# KiCad board 128CR.kicad_pcb (continued)
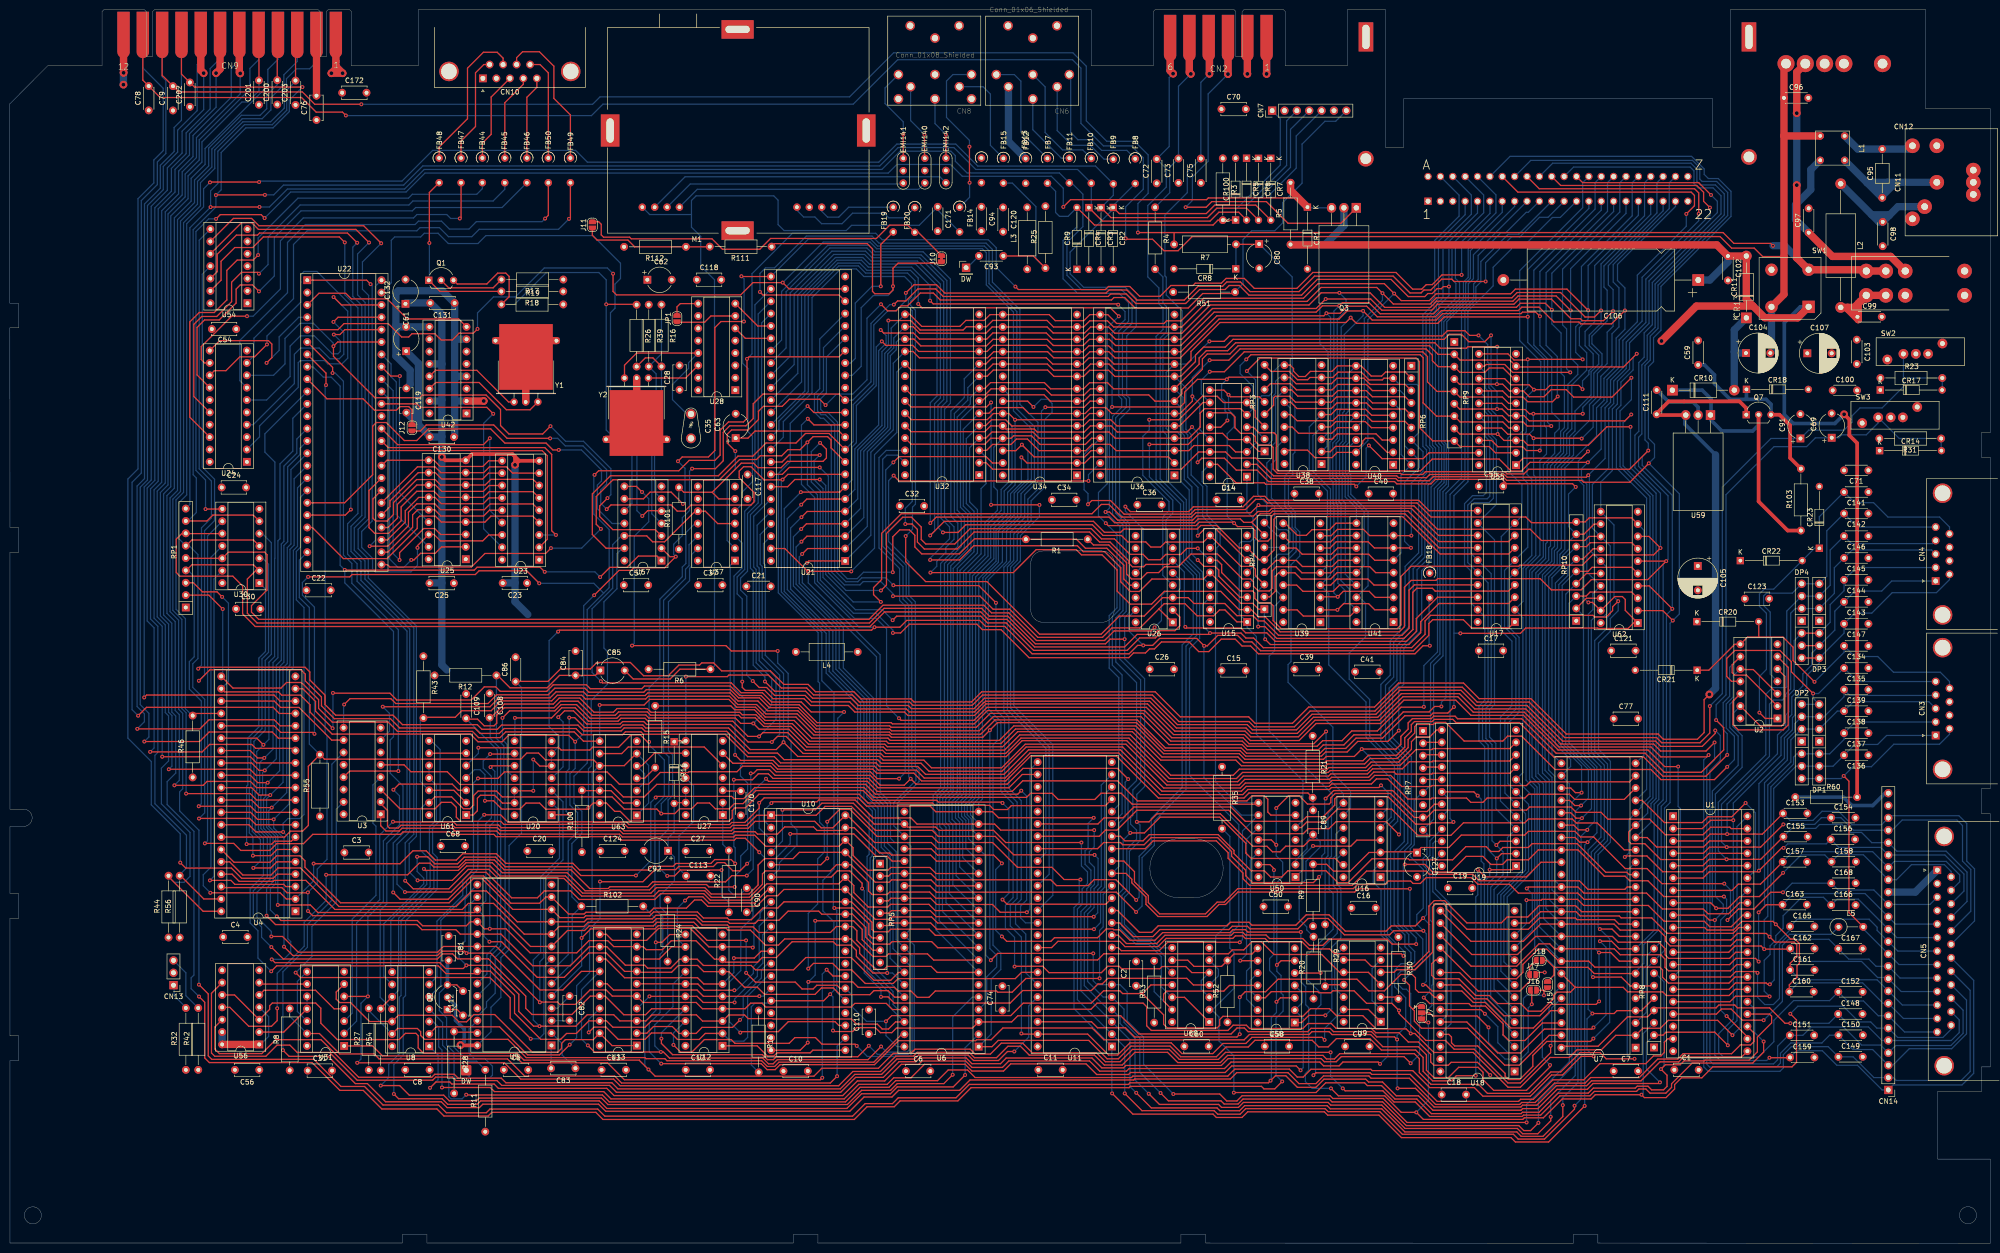
[diagram p0: board, top side]
## Placement (name value [footprint] x y rotation side) (continued)
R53  1k  [R_Axial_DIN0207_L6.3mm_D2.5mm_P12.7mm_Horizontal]  234.94 45.32 90 top
R54  3.3k  [R_Axial_DIN0207_L6.3mm_D2.5mm_P12.7mm_Horizontal]  76.16 35.5 90 top
R55  1k  [R_Axial_DIN0309_L9.0mm_D3.2mm_P12.70mm_Horizontal]  63.68 87.67 90 top
R56  3.3k  [R_Axial_DIN0207_L6.3mm_D2.5mm_P12.7mm_Horizontal]  34.88 62.8 90 top
R60  10k  [R_Axial_DIN0207_L6.3mm_D2.5mm_P12.7mm_Horizontal]  379.25 91.64 180 top
R100  1k  [R_Axial_DIN0207_L6.3mm_D2.5mm_P12.7mm_Horizontal]  117.46 80.35 90 top
R101  390  [R_Axial_DIN0207_L6.3mm_D2.5mm_P12.7mm_Horizontal]  137.37 142.56 90 top
R102  68  [R_Axial_DIN0207_L6.3mm_D2.5mm_P12.7mm_Horizontal]  117.35 69.22 0 top
R103  1.5k  [R_Axial_DIN0207_L6.3mm_D2.5mm_P12.7mm_Horizontal]  367.7 146.41 90 top
R111  68  [R_Axial_DIN0207_L6.3mm_D2.5mm_P12.7mm_Horizontal]  156.4 204.73 180 top
R112  68  [R_Axial_DIN0207_L6.3mm_D2.5mm_P12.7mm_Horizontal]  138.82 204.69 180 top
RP1  1k  [R_Array_SIP9]  36.14 130.6 90 top
RP3  33  [R_Array_SIP8]  257.6 162.67 90 top
RP4  33  [R_Array_SIP8]  257.55 130.24 90 top
RP5  3.3k  [R_Array_SIP9]  178.68 77.97 270 top
RP6  1k  [R_Array_SIP9]  287.73 180.24 270 top
RP7  3.3k  [R_Array_SIP9]  290.13 105.24 270 top
RP8  3.3k  [R_Array_SIP9]  337.55 40.22 90 top
RP9  10k  [R_Array_SIP9]  296.55 185.14 270 top
RP10  10k  [R_Array_SIP9]  321.58 127.87 90 top
SW1  Power_switch  [Power_Switch]  378.13 191.72 0 top
SW2  Reset Switch  [Switch-Pushbutton]  388.25 183.69 0 top
SW3  Disk reset  [Switch-Pushbutton]  383.08 170.64 0 top
U1  6526  [DIP-40_W15.24mm_Socket]  341.48 87.72 0 top
U2  4066  [DIP-14_W7.62mm_Socket]  362.89 107.81 180 top
U3  74LS138  [DIP-16_W7.62mm_Socket]  76.15 88.12 180 top
U4  6526  [DIP-40_W15.24mm_Socket]  58.65 68.19 180 top
U5  8580  [DIP-28_W15.24mm_Socket]  111.23 40.64 180 top
U6  8502  [DIP-40_W15.24mm_Socket]  198.9 40.39 180 top
U7  8722  [DIP-48_W15.24mm_Socket]  333.78 40.17 180 top
U8  74LS08  [DIP-14_W7.62mm_Socket]  86.12 40.47 180 top
U9  74LS32  [DIP-14_W7.62mm_Socket]  281.45 45.49 180 top
U10  Z80  [DIP-40_W15.24mm_Socket]  156.3 87.92 0 top
U11  8721  [DIP-48_W15.24mm_Socket]  226.25 40.42 180 top
U12  74LS373  [DIP-20_W7.62mm_Socket]  146.33 40.56 180 top
U13  74LS244  [DIP-20_W7.62mm_Socket]  128.73 40.6 180 top
U14  74LS257  [DIP-16_W7.62mm_Socket]  253.98 157.47 180 top
U15  74LS257  [DIP-16_W7.62mm_Socket]  254.03 127.62 180 top
U16  74LS14  [DIP-14_W7.62mm_Socket]  281.4 75.19 180 top
U17  74LS373  [DIP-20_W7.62mm_Socket]  308.97 127.62 180 top
U18  27C64  [DIP-28_W15.24mm_Socket]  308.93 35.29 180 top
U19  6116SA  [DIP-24_W15.24mm_Socket]  309.23 77.49 180 top
U20  4066  [DIP-14_W7.62mm_Socket]  111.25 87.92 180 top
U21  8564  [DIP-48_W15.24mm_Socket]  171.5 140.17 180 top
U22  8568  [DIP-48_W15.24mm_Socket]  61.08 197.83 0 top
U23  TMS4464  [DIP-18_W7.62mm_Socket]  108.7 140.42 180 top
U24  74LS244  [DIP-20_W7.62mm_Socket]  48.68 160.52 180 top
U25  TMS4464  [DIP-18_W7.62mm_Socket]  93.62 140.52 180 top
U26  74LS257  [DIP-16_W7.62mm_Socket]  238.75 127.54 180 top
U27  LM556  [DIP-14_W7.62mm_Socket]  146.38 87.97 180 top
U28  8701  [DIP-16_W7.62mm_Socket]  148.95 175.24 180 top
U30  74LS06N  [DIP-14_W7.62mm_Socket]  51.25 135.62 180 top
U31  74LS00  [DIP-14_W7.62mm_Socket]  68.65 40.54 180 top
U32  23256  [DIP-28_W15.24mm_Socket]  199.03 157.79 180 top
U34  23256  [DIP-28_W15.24mm_Socket]  219.1 157.74 180 top
U36  23256  [DIP-28_W15.24mm_Socket]  239.1 157.74 180 top
U37  74LS06N  [DIP-14_W7.62mm_Socket]  148.88 140.22 180 top
U38  TMS4464  [DIP-18_W7.62mm_Socket]  269.3 160.07 180 top
U39  TMS4464  [DIP-18_W7.62mm_Socket]  269.05 127.57 180 top
U40  TMS4464  [DIP-18_W7.62mm_Socket]  284 159.92 180 top
U41  TMS4464  [DIP-18_W7.62mm_Socket]  284.08 127.59 180 top
U42  8701  [DIP-16_W7.62mm_Socket]  93.78 170.47 180 top
U50  74LS04  [DIP-14_W7.62mm_Socket]  263.95 75.24 180 top
U54  74LS32  [DIP-14_W7.62mm_Socket]  48.8 193.09 180 top
U55  74LS245  [DIP-20_W7.62mm_Socket]  309.23 159.84 180 top
U56  74LS74  [DIP-14_W7.62mm_Socket]  51.23 40.84 180 top
U57  74LS07  [DIP-14_W7.62mm_Socket]  133.8 140.23 180 top
U58  74LS03  [DIP-14_W7.62mm_Socket]  263.8 45.34 180 top
U59  L7812  [TO-220-3_Horizontal_TabDown_NoHole]  349.14 170.13 180 top
U60  74LS07  [DIP-14_W7.62mm_Socket]  246.25 45.44 180 top
U61  74LS08  [DIP-14_W7.62mm_Socket]  93.7 87.97 180 top
U62  74LS244  [DIP-20_W7.62mm_Socket]  334.23 127.42 180 top
U63  74LS06N  [DIP-14_W7.62mm_Socket]  128.73 87.89 180 top
Y1  16  [Crystal_HC49-U_Horizontal_1EP_style3]  108.43 172.82 180 top
Y2  17.73447  [Crystal_HC49-U_Horizontal_1EP_style3]  126.2 177.74 0 top

## Library data of the parts
M1 = -: Field4: LOGO; Field5: G***

## Footprints (pads in the part's own frame, mm; a bottom-side part is the same pattern mirrored in y, then rotated)
BRIDGE_RECTIFIER
  rect 2.54x2.54 hole 1.27: 1(-3.81,-3.81)
  round 2.54 hole 1.27: 2(3.81,-3.81) 3(3.81,3.81) 4(-3.81,3.81)
C_Adjustable_L7.0mm_W4.5mm_P5.00mm
  round 2 hole 1.3: 1(0,0) 2(5,0)
C_Axial_L3.8mm_D2.6mm_P10.00mm_Horizontal
  round 1.6 hole 0.8: 1(0,0)
  oval 1.6x1.6 hole 0.8: 2(10,0)
C_Disc_D4.3mm_W1.9mm_P5.00mm
  round 1.6 hole 0.8: 1(0,0) 2(5,0)
C_Disc_D5.0mm_W2.5mm_P5.00mm
  round 1.6 hole 0.8: 1(0,0) 2(5,0)
CASSETTEPORT
  custom 2.54x9.525 smd: 1(9.906,0) 2(5.944,0) 3(1.981,0) 4(-1.981,0) 5(-5.944,0) 6(-9.906,0)
  custom 2.54x9.525 smd far side: A(9.906,0) B(5.944,0) C(1.981,0) D(-1.981,0) E(-5.944,0) F(-9.906,0)
CN12_C128D_power
  round 3.5 hole 2: 1(-3.683,-0.127) 3(4.242,-0.127) 4(8.204,-0.127) 5(12.167,-0.127) 6(16.129,-0.127)
Commonmode_Choke_5mmx5mm
  round 1.524 hole 0.762: 1(2.5,2.5) 2(-2.5,-2.5) 3(-2.5,2.5) 4(2.5,-2.5)
Connector_DIN_Female_6Pin_3rows
  round 1.95 hole 1.3: 0(-4.953,-10.033) 0(0,-7.493) 0(5.08,-10.033) 1(7.5,0) 2(5,2.5) 3(0,0) 4(-5,2.5) 5(-7.5,0) 6(0,5)
Connector_DIN_Female_8Pin_3rows
  round 1.95 hole 1.3: 0(-4.953,-10.033) 0(0,-7.493) 0(5.08,-10.033) 1(7.5,0) 2(0,0) 3(-7.5,0) 4(5,2.5) 5(-5,2.5) 6(0,5) 7(7.5,5) 8(-7.5,5)
Connector_Power_5pin_252167_01
  round 3 hole 1.4: 0(-2.5,-4.5) 0(0,-4.5) 0(2.5,-4.5) 1(-5,5.5) 2(7.5,3) 3(7.5,8) 4(-7.5,8) 5(0,3)
CP_Axial_L30.0mm_D12.5mm_P40.00mm_Horizontal
  rect 2.4x2.4 hole 1.2: 1(0,0)
  oval 2.4x2.4 hole 1.2: 2(40,0)
CP_Radial_D5.0mm_P5.00mm
  rect 1.6x1.6 hole 0.8: 1(0,0)
  round 1.6 hole 0.8: 2(5,0)
CP_Radial_D8.0mm_P5.00mm
  rect 1.6x1.6 hole 0.8: 1(0,0)
  round 1.6 hole 0.8: 2(5,0)
Crystal_HC49-U_Horizontal_1EP_style3
  round 1.5 hole 0.8: 1(0,0) 2(4.9,0)
  rect 1.2x1.2 hole 0.8: 3(-3.8,-12.6) 3(8.7,-12.6)
  rect 11x13.5 smd: 3(2.45,-9.25)
  round 1.524 hole 0.762: 3(2.5,0)
  rect 1.524x3 smd: 3(2.5,-1.473)
D_DO-34_SOD68_P12.70mm_Horizontal
  rect 1.5x1.5 hole 0.75: 1(0,0)
  oval 1.5x1.5 hole 0.75: 2(12.7,0)
D_DO-41_SOD81_P12.70mm_Horizontal
  rect 2.2x2.2 hole 1.1: 1(0,0)
  oval 2.2x2.2 hole 1.1: 2(12.7,0)
DIP-14_W7.62mm_Socket
  rect 1.6x1.6 hole 0.8: 1(0,0)
  oval 1.6x1.6 hole 0.8: 2(0,-2.54) 3(0,-5.08) 4(0,-7.62) 5(0,-10.16) 6(0,-12.7) 7(0,-15.24) 8(7.62,-15.24) 9(7.62,-12.7) 10(7.62,-10.16) 11(7.62,-7.62) 12(7.62,-5.08) 13(7.62,-2.54) 14(7.62,0)
DIP-16_W7.62mm_Socket
  rect 1.6x1.6 hole 0.8: 1(0,0)
  oval 1.6x1.6 hole 0.8: 2(0,-2.54) 3(0,-5.08) 4(0,-7.62) 5(0,-10.16) 6(0,-12.7) 7(0,-15.24) 8(0,-17.78) 9(7.62,-17.78) 10(7.62,-15.24) 11(7.62,-12.7) 12(7.62,-10.16) 13(7.62,-7.62) 14(7.62,-5.08) 15(7.62,-2.54) 16(7.62,0)
DIP-18_W7.62mm_Socket
  rect 1.6x1.6 hole 0.8: 1(0,0)
  oval 1.6x1.6 hole 0.8: 2(0,-2.54) 3(0,-5.08) 4(0,-7.62) 5(0,-10.16) 6(0,-12.7) 7(0,-15.24) 8(0,-17.78) 9(0,-20.32) 10(7.62,-20.32) 11(7.62,-17.78) 12(7.62,-15.24) 13(7.62,-12.7) 14(7.62,-10.16) 15(7.62,-7.62) 16(7.62,-5.08) 17(7.62,-2.54) 18(7.62,0)
DIP-20_W7.62mm_Socket
  rect 1.6x1.6 hole 0.8: 1(0,0)
  oval 1.6x1.6 hole 0.8: 2(0,-2.54) 3(0,-5.08) 4(0,-7.62) 5(0,-10.16) 6(0,-12.7) 7(0,-15.24) 8(0,-17.78) 9(0,-20.32) 10(0,-22.86) 11(7.62,-22.86) 12(7.62,-20.32) 13(7.62,-17.78) 14(7.62,-15.24) 15(7.62,-12.7) 16(7.62,-10.16) 17(7.62,-7.62) 18(7.62,-5.08) 19(7.62,-2.54) 20(7.62,0)
DIP-24_W15.24mm_Socket
  rect 1.6x1.6 hole 0.8: 1(0,0)
  oval 1.6x1.6 hole 0.8: 2(0,-2.54) 3(0,-5.08) 4(0,-7.62) 5(0,-10.16) 6(0,-12.7) 7(0,-15.24) 8(0,-17.78) 9(0,-20.32) 10(0,-22.86) 11(0,-25.4) 12(0,-27.94) 13(15.24,-27.94) 14(15.24,-25.4) 15(15.24,-22.86) 16(15.24,-20.32) 17(15.24,-17.78) 18(15.24,-15.24) 19(15.24,-12.7) 20(15.24,-10.16) 21(15.24,-7.62) 22(15.24,-5.08) 23(15.24,-2.54) 24(15.24,0)
DIP-28_W15.24mm_Socket
  rect 1.6x1.6 hole 0.8: 1(0,0)
  oval 1.6x1.6 hole 0.8: 2(0,-2.54) 3(0,-5.08) 4(0,-7.62) 5(0,-10.16) 6(0,-12.7) 7(0,-15.24) 8(0,-17.78) 9(0,-20.32) 10(0,-22.86) 11(0,-25.4) 12(0,-27.94) 13(0,-30.48) 14(0,-33.02) 15(15.24,-33.02) 16(15.24,-30.48) 17(15.24,-27.94) 18(15.24,-25.4) 19(15.24,-22.86) 20(15.24,-20.32) 21(15.24,-17.78) 22(15.24,-15.24) 23(15.24,-12.7) 24(15.24,-10.16) 25(15.24,-7.62) 26(15.24,-5.08) 27(15.24,-2.54) 28(15.24,0)
DIP-40_W15.24mm_Socket
  rect 1.6x1.6 hole 0.8: 1(0,0)
  oval 1.6x1.6 hole 0.8: 2(0,-2.54) 3(0,-5.08) 4(0,-7.62) 5(0,-10.16) 6(0,-12.7) 7(0,-15.24) 8(0,-17.78) 9(0,-20.32) 10(0,-22.86) 11(0,-25.4) 12(0,-27.94) 13(0,-30.48) 14(0,-33.02) 15(0,-35.56) 16(0,-38.1) 17(0,-40.64) 18(0,-43.18) 19(0,-45.72) 20(0,-48.26) 21(15.24,-48.26) 22(15.24,-45.72) 23(15.24,-43.18) 24(15.24,-40.64) 25(15.24,-38.1) 26(15.24,-35.56) 27(15.24,-33.02) 28(15.24,-30.48) 29(15.24,-27.94) 30(15.24,-25.4) 31(15.24,-22.86) 32(15.24,-20.32) 33(15.24,-17.78) 34(15.24,-15.24) 35(15.24,-12.7) 36(15.24,-10.16) 37(15.24,-7.62) 38(15.24,-5.08) 39(15.24,-2.54) 40(15.24,0)
DIP-48_W15.24mm_Socket
  rect 1.6x1.6 hole 0.8: 1(0,0)
  oval 1.6x1.6 hole 0.8: 2(0,-2.54) 3(0,-5.08) 4(0,-7.62) 5(0,-10.16) 6(0,-12.7) 7(0,-15.24) 8(0,-17.78) 9(0,-20.32) 10(0,-22.86) 11(0,-25.4) 12(0,-27.94) 13(0,-30.48) 14(0,-33.02) 15(0,-35.56) 16(0,-38.1) 17(0,-40.64) 18(0,-43.18) 19(0,-45.72) 20(0,-48.26) 21(0,-50.8) 22(0,-53.34) 23(0,-55.88) 24(0,-58.42) 25(15.24,-58.42) 26(15.24,-55.88) 27(15.24,-53.34) 28(15.24,-50.8) 29(15.24,-48.26) 30(15.24,-45.72) 31(15.24,-43.18) 32(15.24,-40.64) 33(15.24,-38.1) 34(15.24,-35.56) 35(15.24,-33.02) 36(15.24,-30.48) 37(15.24,-27.94) 38(15.24,-25.4) 39(15.24,-22.86) 40(15.24,-20.32) 41(15.24,-17.78) 42(15.24,-15.24) 43(15.24,-12.7) 44(15.24,-10.16) 45(15.24,-7.62) 46(15.24,-5.08) 47(15.24,-2.54) 48(15.24,0)
DSUB-9_Female_Horizontal_P2.77x2.84mm_EdgePinOffset7.70mm_Housed_MountingHolesOffset9.12mm
  round 4 hole 3.2: 0(-18.04,-1.42) 0(6.96,-1.42)
  rect 1.6x1.6 hole 1: 1(0,0)
  round 1.6 hole 1: 2(-2.77,0) 3(-5.54,0) 4(-8.31,0) 5(-11.08,0) 6(-1.385,-2.84) 7(-4.155,-2.84) 8(-6.925,-2.84) 9(-9.695,-2.84)
DSUB-9_Male_Horizontal_P2.77x2.84mm_EdgePinOffset9.90mm_Housed_MountingHolesOffset11.32mm
  round 4 hole 3.2: 0(-6.96,-1.42) 0(18.04,-1.42)
  rect 1.6x1.6 hole 1: 1(0,0)
  round 1.6 hole 1: 2(2.77,0) 3(5.54,0) 4(8.31,0) 5(11.08,0) 6(1.385,-2.84) 7(4.155,-2.84) 8(6.925,-2.84) 9(9.695,-2.84)
DSUB-25_Female_Horizontal_P2.77x2.84mm_EdgePinOffset9.90mm_Housed_MountingHolesOffset11.32mm
  round 4 hole 3.2: 0(-40.17,-1.42) 0(6.93,-1.42)
  rect 1.6x1.6 hole 1: 1(0,0)
  round 1.6 hole 1: 2(-2.77,0) 3(-5.54,0) 4(-8.31,0) 5(-11.08,0) 6(-13.85,0) 7(-16.62,0) 8(-19.39,0) 9(-22.16,0) 10(-24.93,0) 11(-27.7,0) 12(-30.47,0) 13(-33.24,0) 14(-1.385,-2.84) 15(-4.155,-2.84) 16(-6.925,-2.84) 17(-9.695,-2.84) 18(-12.465,-2.84) 19(-15.235,-2.84) 20(-18.005,-2.84) 21(-20.775,-2.84) 22(-23.545,-2.84) 23(-26.315,-2.84) 24(-29.085,-2.84) 25(-31.855,-2.84)
EMI-Filter
  round 1.524 hole 0.762: 1(0,0) 2(2.54,0) 3(5.08,0)
EXPANSIONPORT
  rect 3x6 hole 1.5x5 unplated: (-39.421,31.217) (39.213,31.217)
  rect 1.508x1.508 hole 1: 1(-26.67,-2.54)
  round 1.508 hole 1: 2(-24.13,-2.54) 3(-21.59,-2.54) 4(-19.05,-2.54) 5(-16.51,-2.54) 6(-13.97,-2.54) 7(-11.43,-2.54) 8(-8.89,-2.54) 9(-6.35,-2.54) 10(-3.81,-2.54) 11(-1.27,-2.54) 12(1.27,-2.54) 13(3.81,-2.54) 14(6.35,-2.54) 15(8.89,-2.54) 16(11.43,-2.54) 17(13.97,-2.54) 18(16.51,-2.54) 19(19.05,-2.54) 20(21.59,-2.54) 21(24.13,-2.54) 22(26.67,-2.54) A(-26.67,2.54) B(-24.13,2.54) C(-21.59,2.54) D(-19.05,2.54) E(-16.51,2.54) F(-13.97,2.54) H(-11.43,2.54) J(-8.89,2.54) K(-6.35,2.54) L(-3.81,2.54) M(-1.27,2.54) N(1.27,2.54) P(3.81,2.54) R(6.35,2.54) S(8.89,2.54) T(11.43,2.54) U(13.97,2.54) V(16.51,2.54) W(19.05,2.54) X(21.59,2.54) Y(24.13,2.54) Z(26.67,2.54)
  round 3.216 hole 2.2: A(-39.451,6.198) Z(39.213,6.563)
Ferrite_Bead_vertical_2_pin
  round 1.524 hole 0.762: 1(0,0) 2(5.08,0)
L_Axial_L7.0mm_D3.3mm_P5.08mm_Vertical_Fastron_MICC
  round 1.6 hole 0.8: 1(0,0)
  oval 1.6x1.6 hole 0.8: 2(5.08,0)
L_Axial_L7.0mm_D3.3mm_P12.70mm_Horizontal_Fastron_MICC
  round 1.6 hole 0.8: 1(0,0)
  oval 1.6x1.6 hole 0.8: 2(12.7,0)
L_Axial_L12.8mm_D5.8mm_P25.40mm_Horizontal_Fastron_HBCC
  round 2.2 hole 1.1: 1(0,0)
  oval 2.2x2.2 hole 1.1: 2(25.4,0)
PinHeader_1x01_P2.54mm_Vertical
  rect 1.7x1.7 hole 1: 1(0,0)
PinHeader_1x03_P2.54mm_Vertical
  rect 1.7x1.7 hole 1: 1(0,0)
  oval 1.7x1.7 hole 1: 2(0,-2.54) 3(0,-5.08)
PinHeader_1x07_P2.54mm_Vertical
  rect 1.7x1.7 hole 1: 1(0,0)
  oval 1.7x1.7 hole 1: 2(0,-2.54) 3(0,-5.08) 4(0,-7.62) 5(0,-10.16) 6(0,-12.7) 7(0,-15.24)
PinHeader_1x25_P2.54mm_Vertical
  rect 1.7x1.7 hole 1: 1(0,0)
  oval 1.7x1.7 hole 1: 2(0,-2.54) 3(0,-5.08) 4(0,-7.62) 5(0,-10.16) 6(0,-12.7) 7(0,-15.24) 8(0,-17.78) 9(0,-20.32) 10(0,-22.86) 11(0,-25.4) 12(0,-27.94) 13(0,-30.48) 14(0,-33.02) 15(0,-35.56) 16(0,-38.1) 17(0,-40.64) 18(0,-43.18) 19(0,-45.72) 20(0,-48.26) 21(0,-50.8) 22(0,-53.34) 23(0,-55.88) 24(0,-58.42) 25(0,-60.96)
Power_Switch
  round 3 hole 1.5: 0(23.177,8.001) 0(23.177,3) 1(3,3) 1(7,3) 2(11,3) 3(11,8) 4(3,8) 4(7,8)
R_Array_SIP8
  rect 1.6x1.6 hole 0.8: 1(0,0)
  oval 1.6x1.6 hole 0.8: 2(2.54,0) 3(5.08,0) 4(7.62,0) 5(10.16,0) 6(12.7,0) 7(15.24,0) 8(17.78,0)
R_Array_SIP9
  rect 1.6x1.6 hole 0.8: 1(0,0)
  oval 1.6x1.6 hole 0.8: 2(2.54,0) 3(5.08,0) 4(7.62,0) 5(10.16,0) 6(12.7,0) 7(15.24,0) 8(17.78,0) 9(20.32,0)
R_Axial_DIN0207_L6.3mm_D2.5mm_P12.7mm_Horizontal
  round 1.6 hole 0.8: 1(0,0)
  oval 1.6x1.6 hole 0.8: 2(12.7,0)
R_Axial_DIN0309_L9.0mm_D3.2mm_P12.70mm_Horizontal
  round 1.6 hole 0.8: 1(0,0)
  oval 1.6x1.6 hole 0.8: 2(12.7,0)
RF_modulator
  rect 3.81x6.604 hole 1.5x5 unplated: (0,20.574) (52.578,20.574)
  rect 6.604x3.81 hole 5x1.5 unplated: (26.162,41.339) (26.162,0)
  round 1.524 hole 0.762: 1(45.974,4.826) 2(43.434,4.826) 3(40.894,4.826) 4(38.354,4.826) 5(14.224,4.826) 6(11.684,4.826) 7(9.144,4.826) 8(6.604,4.826)
SIP-DAN_DAP-601
  oval 1.7x1.7 hole 1: 1(0,0) 2(0,-2.54) 3(0,-5.08) 5(0,-10.16) 6(0,-12.7) 7(0,-15.24)
  rect 1.7x1.7 hole 1: 4(0,-7.62)
SolderJumper-2_P1.3mm_Bridged_RoundedPad1.0x1.5mm
  custom 1x1.5 smd: 1(-0.65,0) 2(0.65,0)
SolderJumper-2_P1.3mm_Open_RoundedPad1.0x1.5mm
  custom 1x1.5 smd: 1(-0.65,0) 2(0.65,0)
SolderJumper-3_P1.3mm_Open_RoundedPad1.0x1.5mm
  custom 1.05x1.5 smd: 1(-1.3,0) 3(1.3,0)
  rect 1x1.5 smd: 2(0,0)
SolderWire-0.5sqmm_1x01_D0.9mm_OD2.1mm
  rrect 2.1x2.1 hole 1.1: 1(0,0)
Switch-Pushbutton
  round 2 hole 1: 0(-2.794,-2.159) 0(8.509,1.143) 1(0.5,-1.002) 2(3.05,-0.992) 3(5.56,-0.992)
TO-92_Inline_Wide
  rect 1.5x1.5 hole 0.8: 1(0,0)
  round 1.5 hole 0.8: 2(2.54,0) 3(5.08,0)
TO-92L_Inline_Wide
  rect 1.5x1.5 hole 0.8: 1(0,0)
  round 1.5 hole 0.8: 2(2.54,0) 3(5.08,0)
TO-220-3_Horizontal_TabDown_NoHole
  rect 1.905x2 hole 1.1: 1(0,0)
  oval 1.905x2 hole 1.1: 2(2.54,0) 3(5.08,0)
USERPORT
  custom 2.54x9.525 smd: 1(21.793,0) 2(17.831,0) 3(13.868,0) 4(9.906,0) 5(5.944,0) 6(1.981,0) 7(-1.981,0) 8(-5.944,0) 9(-9.906,0) 10(-13.868,0) 11(-17.831,0) 12(-21.793,0)
  custom 2.54x9.525 smd far side: A(21.793,0) B(17.831,0) C(13.868,0) D(9.906,0) E(5.944,0) F(1.981,0) H(-1.981,0) J(-5.944,0) K(-9.906,0) L(-13.868,0) M(-17.831,0) N(-21.793,0)

## Nets
9VAC1: C79.2 CN9.10 CN12.5 CR13.2 R7.2 SW1.4
9VAC2: C78.2 C96.1 C104.2 CN9.11 CN12.6 CR13.4 L1.2
+5V: C1.2 C2.2 C3.2 C4.2 C5.2 C6.2 C7.2 C8.2 C9.2 C10.2 C11.2 C12.2 C13.2 C14.2 C15.2 C16.2 C17.2 C18.2 C19.2 C20.2 C22.2 C23.2 C24.2 C25.2 C26.2 C27.2 C28.2 C30.2 C31.2 C32.2 C34.2 C36.2 C37.2 C38.2 C39.2 C40.2 C41.2 C50.2 C54.2 C55.2 C56.2 C57.2 C58.2 C60.2 C61.1 C62.1 C68.2 C70.2 C71.2 C74.2 C76.2 C77.2 C100.1 C103.1 C107.1 C110.2 C118.2 C119.2 C121.2 C123.2 C124.2 C130.2 C131.2 C132.1 C172.2 CN1.2 CN1.3 CN2.2 CN2.B CN3.7 CN4.7 CN9.2 CN12.4 CR5.1 CR6.1 CR7.1 CR9.1 CR14.1 CR17.1 CR20.1 CR22.1 DP1.4 DP3.4 FB13.2 L3.1 L4.1 R3.1 R8.1 R9.1 R10.1 R17.1 R19.2 R20.1 R21.1 R22.1 R23.1 R24.1 R27.1 R31.2 R32.1 R35.1 R42.1 R43.1 R44.1 R46.1 R51.2 R52.1 R53.1 R54.1 R55.1 R56.1 R100.1 R101.1 RP1.1 RP5.1 RP6.1 RP7.1 RP8.1 RP9.1 RP10.1 SW1.2 U1.20 U3.6 U4.20 U5.25 U6.6 U7.1 U8.14 U9.14 U10.11 U10.17 U10.24 U11.8 U11.48 U12.20 U13.20 U16.14 U18.1 U18.27 U18.28 U19.24 U21.11 U23.9 U24.20 U25.9 U27.10 U28.12 U28.15 U30.14 U31.14 U32.1 U34.1 U36.1 U38.9 U39.9 U40.9 U41.9 U42.12 U42.15 U50.14 U54.14 U56.1 U56.4 U56.13 U56.14 U58.14 U60.14
+9V: C86.1 C102.1 C105.1 C106.1 C111.1 CR11.2 CR13.1 Q2.2 Q3.2 Q7.1 R5.1 R60.1 U5.28 U59.3
GND: C1.1 C2.1 C3.1 C4.1 C5.1 C6.1 C7.1 C8.1 C9.1 C10.1 C11.1 C12.1 C13.1 C14.1 C15.1 C16.1 C17.1 C18.1 C19.1 C20.1 C21.2 C22.1 C23.1 C24.1 C25.1 C26.1 C27.1 C28.1 C30.1 C31.1 C32.1 C34.1 C35.2 C36.1 C37.1 C38.1 C39.1 C40.1 C41.1 C50.1 C54.1 C55.1 C56.1 C57.1 C58.1 C59.2 C60.1 C61.2 C62.2 C63.2 C68.1 C69.2 C70.1 C71.1 C72.1 C73.1 C74.1 C75.1 C76.1 C77.1 C78.1 C79.1 C80.2 C81.1 C84.2 C86.2 C90.2 C91.2 C92.2 C94.2 C96.2 C97.2 C98.2 C99.2 C100.2 C102.2 C103.2 C105.2 C106.2 C107.2 C108.1 C109.1 C110.1 C111.2 C113.2 C117.2 C118.1 C119.1 C120.2 C121.1 C123.1 C124.1 C127.2 C130.1 C131.1 C132.2 C134.1 C135.1 C136.1 C137.1 C138.1 C139.1 C141.1 C142.1 C143.1 C144.1 C145.1 C146.1 C147.1 C148.2 C149.2 C150.2 C151.2 C152.2 C153.2 C154.2 C155.2 C156.2 C157.2 C158.2 C159.2 C160.2 C161.2 C162.2 C163.2 C165.2 C166.2 C167.2 C168.2 C170.2 C171.2 C172.1 C200.1 C201.1 C202.1 C203.1 CN1.1 CN1.22 CN1.A CN1.Z CN2.1 CN2.A CN3.0 CN3.8 CN4.0 CN4.8 CN5.0 CN5.1 CN7.2 CN8.2 CN9.1 CN9.12 CN9.A CN9.N CN10.0 CN10.1 CN10.2 CN11.2 CN11.4 CN12.1 CN12.3 CN13.2 CN14.17 CN14.24 CR1.2 CR2.2 CR3.2 CR4.2 CR8.2 CR13.3 CR18.2 CR21.2 CR23.2 CR100.2 DP2.4 DP4.4 EMI140.2 EMI141.2 EMI142.2 FB12.2 J17.2 JP1.2 M1.3 R6.2 R11.1 R12.2 R18.1 R25.2 R39.1 R112.2 SW2.0 SW2.2 SW3.0 SW3.2 U1.1 U4.1 U5.14 U6.21 U7.34 U8.7 U9.7 U10.29 U11.7 U11.24 U11.27 U12.10 U13.10 U16.7 U18.14 U19.12 U21.24 U22.22 U22.24 U23.1 U23.18 U24.1 U24.10 U24.15 U24.17 U24.19 U25.1 U25.18 U26.10 U26.11 U26.14 U28.2 U28.4 U28.9 U30.7 U31.7 U32.20 U34.20 U36.20 U38.1 U38.18 U39.1 U39.18 U40.1 U40.18 U41.1 U41.18 U42.2 U42.4 U42.7 U42.9 U50.7 U54.7 U56.7 U58.7 U59.2 U60.7 Y1.3 Y2.3
1MHZ: CN1.E R102.1 U4.25 U5.6 U21.18
2MHZ: U6.1 U7.33 U21.23 U22.5
16MHZ: U22.3 U42.8
40_80: C148.1 CN5.24 CN14.5 RP8.4 U7.48
128_64: J7.1 U7.47 U8.2 U11.15 U32.27
8502_AEC: U6.5 U61.10 U61.11
8502_RDY: U6.2 U61.8
8502_R~{W}: R27.2 U6.39 U8.13
/Color / Character/CD0: U19.9 U20.1 U21.46
/Color / Character/CD1: U19.10 U20.4 U21.45
/Color / Character/CD2: U19.11 U20.8 U21.44
/Color / Character/CD3: U19.13 U20.11 U21.43
/Color / Character/SA0: CN1.Y U17.2 U18.10 U19.8 U55.17
/Color / Character/SA1: CN1.X U17.5 U18.9 U19.7 U55.15
/Color / Character/SA2: CN1.W U17.6 U18.8 U19.6 U55.13
/Color / Character/SA3: CN1.V U17.9 U18.7 U19.5 U55.11
/Color / Character/SA4: CN1.U U17.12 U18.6 U19.4 U55.12
/Color / Character/SA5: CN1.T U17.15 U18.5 U19.3 U55.14
/Color / Character/SA6: CN1.S U17.16 U18.4 U19.2 U55.16
/Color / Character/SA7: CN1.R U17.19 U18.3 U19.1 U55.18
/Color / Character/U18_A12: J7.2 J16.1 U18.2
/CPU/D0: CN1.21 U1.33 U4.33 U5.15 U6.38 U7.35 U12.3 U13.3 U18.11 U20.2 U21.7 U22.18 U32.11 U34.11 U36.11 U38.2 U40.2
/CPU/D1: CN1.20 U1.32 U4.32 U5.16 U6.37 U7.36 U12.4 U13.5 U18.12 U20.3 U21.6 U22.17 U32.12 U34.12 U36.12 U38.3 U40.3
/CPU/D2: CN1.19 U1.31 U4.31 U5.17 U6.36 U7.37 U12.7 U13.7 U18.13 U20.9 U21.5 U22.16 U32.13 U34.13 U36.13 U38.15 U40.15
/CPU/D3: CN1.18 U1.30 U4.30 U5.18 U6.35 U7.38 U12.8 U13.9 U18.15 U20.10 U21.4 U22.15 U32.15 U34.15 U36.15 U38.17 U40.17
/CPU/D4: CN1.17 U1.29 U4.29 U5.19 U6.34 U7.39 U12.13 U13.12 U18.16 U21.3 U22.14 U32.16 U34.16 U36.16 U39.2 U41.2
/CPU/D5: CN1.16 U1.28 U4.28 U5.20 U6.33 U7.40 U12.14 U13.14 U18.17 U21.2 U22.13 U32.17 U34.17 U36.17 U39.3 U41.3
/CPU/D6: CN1.15 U1.27 U4.27 U5.21 U6.32 U7.41 U12.17 U13.16 U18.18 U21.1 U22.11 U32.18 U34.18 U36.18 U39.15 U41.15
/CPU/D7: CN1.14 U1.26 U4.26 U5.22 U6.31 U7.42 U12.18 U13.18 U18.19 U21.47 U22.10 U32.19 U34.19 U36.19 U39.17 U41.17
/CPU/ZD0: U10.14 U12.2 U13.17
/CPU/ZD1: U10.15 U12.5 U13.15
/CPU/ZD2: U10.12 U12.6 U13.13
/CPU/ZD3: U10.8 U12.9 U13.11
/CPU/ZD4: U10.7 U12.12 U13.8
/CPU/ZD5: U10.9 U12.15 U13.6
/CPU/ZD6: U10.10 U12.16 U13.4
/CPU/ZD7: U10.13 U12.19 U13.2
/CPU/~{RD}: U10.21 U12.1
/DRAM/VMA0: RP4.1 U15.12 U17.3 U21.32
/DRAM/VMA1: RP4.3 U15.9 U17.4 U21.33
/DRAM/VMA2: RP4.5 U15.7 U17.7 U21.34
/DRAM/VMA3: RP4.7 U15.4 U17.8 U21.35
/DRAM/VMA4: RP3.7 U11.19 U14.12 U17.13 U21.36
/DRAM/VMA5: RP3.5 U11.20 U14.9 U17.14 U21.37
/DRAM/VMA6: RP3.3 U14.7 U26.4
/DRAM/VMA7: RP3.1 U14.4 U26.7
/DRAM/~{GCAS0}: U9.8 U9.12
/DRAM/~{GCAS1}: U9.2 U9.6
/I/O/COL0: C143.2 C152.1 CN4.1 CN5.13 CN14.7 DP3.2 DP4.6 U1.2
/I/O/COL1: C144.2 C153.1 CN4.2 CN5.19 CN14.23 DP3.3 DP4.5 U1.3
/I/O/COL2: C145.2 C154.1 CN4.3 CN5.18 CN14.22 DP3.5 DP4.3 U1.4
/I/O/COL3: C146.2 C155.1 CN4.4 CN5.17 CN14.21 DP3.6 DP4.2 U1.5
/I/O/COL4: C147.2 C156.1 CN4.6 CN5.16 CN14.20 DP3.1 DP4.7 U1.6
/I/O/COL5: C157.1 CN5.15 CN14.19 U1.7
/I/O/COL6: C158.1 CN5.14 CN14.18 U1.8 U2.6 U2.12
/I/O/COL7: C159.1 CN5.20 CN14.1 U1.9 U2.5 U2.13
/I/O/Control Ports/FBTNA: CN3.6 CN5.8 CN14.12 DP1.1 DP2.7 L5.2
/I/O/Control Ports/POTAX: C134.2 CN3.9 CR20.2 CR21.1 U2.8
/I/O/Control Ports/POTAY: C135.2 CN3.5 DP1.7 DP2.1 U2.11
/I/O/Control Ports/POTBX: C141.2 CN4.9 CR22.2 CR23.1 U2.1
/I/O/Control Ports/POTBY: C142.2 CN4.5 DP3.7 DP4.1 U2.4
/I/O/IEC Serial/ATNOUT: U4.5 U30.5
/I/O/IEC Serial/CLKOUT: U4.6 U30.3
/I/O/IEC Serial/DATAOUT: U4.7 U30.1
/I/O/PA2: CN9.M U4.4
/I/O/PB0: CN9.C U4.10
/I/O/PB1: CN9.D U4.11
/I/O/PB2: CN9.E U4.12
/I/O/PB3: CN9.F U4.13
/I/O/PB4: CN9.H U4.14
/I/O/PB5: CN9.J U4.15
/I/O/PB6: CN9.K U4.16
/I/O/PB7: CN9.L U4.17
/I/O/ROW0: C136.2 C160.1 CN3.1 CN5.12 CN14.8 DP1.2 DP2.6 U1.10
/I/O/ROW1: C137.2 C161.1 CN3.2 CN5.11 CN14.9 DP1.3 DP2.5 U1.11
/I/O/ROW2: C138.2 C162.1 CN3.3 CN5.10 CN14.10 DP1.5 DP2.3 U1.12
/I/O/ROW3: C139.2 C163.1 CN3.4 CN5.5 CN14.15 DP1.6 DP2.2 U1.13
/I/O/ROW5: C165.1 CN5.7 CN14.13 U1.15
/I/O/ROW6: C166.1 CN5.6 CN14.14 U1.16
/I/O/ROW7: C167.1 CN5.9 CN14.11 U1.17
/I/O/~{VA15}: U4.3 U30.13
/VDC/B: CN10.5 FB46.1
/VDC/COMP: CN10.7 FB48.1
/VDC/DA0: U22.26 U23.14 U25.14
/VDC/DA1: U22.27 U23.13 U25.13
/VDC/DA2: U22.28 U23.12 U25.12
/VDC/DA3: U22.29 U23.11 U25.11
/VDC/DA4: U22.30 U23.8 U25.8
/VDC/DA5: U22.31 U23.7 U25.7
/VDC/DA6: U22.32 U23.6 U25.6
/VDC/DA7: U22.33 U23.10 U25.10
/VDC/DD0: U22.34 U23.2
/VDC/DD1: U22.35 U23.3
/VDC/DD2: U22.36 U23.15
/VDC/DD3: U22.38 U23.17
/VDC/DD4: U22.39 U25.2
/VDC/DD5: U22.40 U25.3
/VDC/DD6: U22.41 U25.15
/VDC/DD7: U22.42 U25.17
/VDC/G: CN10.4 FB45.1
/VDC/HSYNC: CN10.8 FB49.1
/VDC/I: CN10.6 FB47.1
/VDC/R: CN10.3 FB44.1
/VDC/VSYNC: CN10.9 FB50.1
A0: RP9.8 U1.38 U4.38 U5.9 U6.7 U7.18 U10.30 U15.13 U22.7 U32.10 U34.10 U36.10 U55.3
A1: RP9.6 U1.37 U4.37 U5.10 U6.8 U7.19 U10.31 U15.10 U32.9 U34.9 U36.9 U55.5
A2: RP9.4 U1.36 U4.36 U5.11 U6.9 U7.20 U10.32 U15.6 U32.8 U34.8 U36.8 U55.7
A3: RP9.2 U1.35 U4.35 U5.12 U6.10 U7.21 U10.33 U15.3 U32.7 U34.7 U36.7 U55.9
A4: RP9.3 U5.13 U6.11 U10.34 U14.13 U32.6 U34.6 U36.6 U54.13 U55.8
A5: RP9.5 U6.12 U10.35 U14.10 U32.5 U34.5 U36.5 U54.12 U55.6
A6: RP9.7 U6.13 U10.36 U14.6 U32.4 U34.4 U36.4 U54.10 U55.4
A7: RP9.9 U6.14 U10.37 U14.3 U32.3 U34.3 U36.3 U54.9 U55.2
A8: RP10.9 U3.1 U6.15 U7.24 U10.38 U32.25 U34.25 U36.25 U62.9
A9: RP10.8 U3.2 U6.16 U7.25 U10.39 U32.24 U34.24 U36.24 U62.12
A10: RP10.7 U6.17 U7.26 U10.40 U11.6 U31.2 U32.21 U34.21 U36.21 U62.7
A11: RP10.6 U3.3 U6.18 U7.27 U10.1 U11.5 U32.23 U34.23 U36.23 U62.14
A12: RP10.5 U6.19 U7.28 U10.2 U11.4 U34.2 U36.2 U62.5
A13: RP10.4 U6.20 U7.29 U8.5 U10.3 U11.3 U34.26 U36.26 U62.16
A14: RP10.3 U6.22 U7.30 U10.4 U11.2 U36.27 U62.3
A15: RP10.2 U6.23 U7.31 U10.5 U11.1 U34.27 U62.18
AEC: U11.9 U17.1 U20.5 U20.6 U20.12 U20.13 U21.12 U26.15 U50.9 U61.1
AUDIO: C85.2 C171.1 FB14.2 M1.8 R6.1
BA: CN1.12 U11.21 U21.10 U57.13 U61.4 U63.13
BUSACK: R54.2 U8.10 U11.13 U37.12 U61.13
CAPLK: CN5.25 CN14.6 J7.3 RP8.3 U6.24
CASS_MTR: U6.25 U30.9
CASS_SENSE: C72.2 CN2.6 CN2.F RP5.2 U6.26
CASS_WRT: R4.2 U6.27
CD4: RP7.2 U19.14
CD5: RP7.3 U19.15
CD6: RP7.4 U19.16
CD7: RP7.5 U19.17
CLRBNK: U11.32 U19.19
D1MHZ: R102.2 U1.25 U12.11 U56.3 U56.10
GAEC: U7.16 U31.5 U61.3
IEC_ATN: C202.2 CN7.3 CN9.9 CR4.1 CR5.2 FB10.2 RP1.8 U30.6
IEC_CLK: CN7.4 CR3.1 CR6.2 FB9.2 RP1.6 U4.8 U30.4
IEC_DATA: CN7.5 CR2.1 CR7.2 FB8.2 RP1.4 U4.9 U16.11 U30.2 U60.8
K0: C149.1 CN5.21 CN14.2 U21.26
K1: C150.1 CN5.22 CN14.3 U21.27
K2: C151.1 CN5.23 CN14.4 U21.28
MA0: RP4.2 RP6.6 U38.14 U39.14 U40.14 U41.14
MA1: RP4.4 RP6.5 U38.13 U39.13 U40.13 U41.13
MA2: RP4.6 RP6.4 U38.12 U39.12 U40.12 U41.12
MA3: RP4.8 RP6.3 U38.11 U39.11 U40.11 U41.11
MA4: RP3.8 RP6.7 U38.8 U39.8 U40.8 U41.8
MA5: RP3.6 RP6.8 U38.7 U39.7 U40.7 U41.7
MA6: RP3.4 RP6.9 U38.6 U39.6 U40.6 U41.6
MA7: RP3.2 RP6.2 U38.10 U39.10 U40.10 U41.10
MUX: U7.17 U14.1 U15.1 U21.21 U26.1 U50.5
POTX: C108.2 U2.2 U2.9 U5.24
POTY: C109.2 U2.3 U2.10 U5.23
R~{W}: CN1.5 RP1.3 U1.22 U4.22 U5.7 U7.32 U11.10 U21.14 U57.2
TA8: CN1.P U7.10 U15.14 U18.25 U19.23 U21.40 U62.11
TA9: CN1.N U7.9 U15.11 U18.24 U19.22 U21.41 U62.8
TA10: CN1.M U7.8 U15.5 U18.21 U21.42 U62.13
TA11: CN1.L J15.2 J18.2 U7.7 U15.2 U21.31 U62.6
TA12: CN1.K RP8.6 U7.6 U14.14 U32.2 U62.15
TA13: CN1.J RP8.9 U7.5 U14.11 U62.4
TA14: CN1.H RP8.5 U7.4 U8.4 U14.5 U62.17
TA15: CN1.F RP8.8 U7.3 U14.2 U62.2
TOD: U1.19 U4.19 U16.8
U1_CNT: C200.2 CN9.4 RP8.2 U1.40 U50.13 U58.3
U1_SP: C201.2 CN9.5 RP7.8 U1.39 U50.11 U58.6
U4_CNT: CN9.6 R56.2 U4.40
U4_SP: CN9.7 R44.2 U4.39
VA6: U17.17 U21.38 U26.3
VA7: U17.18 U21.39 U26.6
VA14: RP1.7 U26.2 U30.10
VA15: RP1.5 U26.5 U30.12
VDC_R~{W}: U8.11 U22.8 U57.1
Z80_R~{W}: U8.12 U13.1 U13.19 U31.6
~{AEC}: U8.9 U14.15 U15.15 U50.8 U55.19
~{BUSACK}: U10.23 U37.13
~{BUSRQ}: RP5.7 U10.25 U37.4 U37.10 U57.12
~{CAS0}: U7.12 U9.9
~{CAS1}: U7.11 U9.5
~{CASENB}: U9.4 U9.10 U11.41
~{CAS}: U9.1 U9.13 U11.47 U21.20
~{CHAREN}: RP5.4 U6.28 U11.25
~{CHAROM}: U11.46 U18.22
~{CIA1}: U1.23 U3.11
~{CIA2}: U3.10 U4.23
~{COLORAM}: U11.45 U19.18 U19.20
~{DMA}: CN1.13 R43.2 U55.1 U61.2 U61.12 U62.1 U62.19
~{DRESET}: CN7.7 R51.1 U37.2
~{DWE}: U11.40 U38.4 U39.4 U40.4 U41.4
~{EXROM}: CN1.9 RP7.9 U7.46 U11.12
~{EXTRES}: C203.2 CN9.3 FB11.2 RP1.9 U60.10
~{FROM1}: U11.33 U36.22
~{FSDIR}: U7.44 U16.1 U58.10 U58.12
~{GAME}: CN1.8 RP7.6 U7.45 U11.11
~{GWE}: U11.44 U56.12
~{HIRAM}: RP5.5 U6.29 U11.23
~{IO1}: CN1.7 U3.9
~{IO2}: CN1.10 U3.7
~{IOACC}: U11.43 U21.22
~{IRQ}: CN1.4 J12.2 R10.2 U1.21 U6.3 U10.16 U21.8
~{LORAM}: RP5.6 U6.30 U11.22
~{LP}: L5.1 U1.14 U21.9 U22.25
~{M1}: U10.27 U31.1
~{NMI}: CN1.D RP1.2 U4.21 U6.4 U63.8
~{RAS}: R1.2 U21.19 U26.13
~{RESET}: CN1.C R55.2 U1.34 U4.34 U5.5 U6.40 U7.2 U10.26 U22.23 U60.11 U63.1 U63.6 U63.10
~{ROM1}: U11.37 U32.22
~{ROM3}: U11.35 U34.22
~{ROMH}: CN1.B U11.31
~{ROML}: CN1.11 U11.30
~{SID}: U3.15 U5.8
~{SRQIN}: CN7.1 CR9.2 CR100.1 FB7.2 R3.2 U16.13 U60.1 U60.12
~{U1_FLAG}: C75.2 CN2.4 CN2.D RP8.7 U1.24 U60.2
~{U4_FLAG}: CN9.B R46.2 U4.24
~{U4_PC}: CN9.8 U4.18
~{VA14}: U4.2 U11.26 U30.11
~{VDC}: U3.13 U22.6
~{VIC}: U11.42 U21.13
~{Z80_WR}: R8.2 U10.22 U31.13
~{Z80EN}: U7.43 U37.11 U61.5
~{Z80IO}: RP5.8 U10.20 U11.14
ΦCOLOR: U21.29 U28.8
ΦDOT: U21.30 U28.6 U37.5
ΦZ80: U21.25 U57.9 U60.3 U60.5
Net-(C35-Pad1): C35.1 U28.13 Y2.1
Net-(C59-Pad1): C59.1 CR18.1 Q7.3 R103.2
Net-(C69-Pad1): C69.1 CR14.2 R15.1 R31.1 SW3.1 U16.5
Net-(C73-Pad2): C73.2 CN2.5 CN2.E R4.1
Net-(C80-Pad1): C80.1 CR8.1 R7.1 U16.9
Net-(C82-Pad1): C82.1 U5.4
Net-(C82-Pad2): C82.2 U5.3
Net-(C83-Pad1): C83.1 U5.2
Net-(C83-Pad2): C83.2 U5.1
Net-(C89-Pad1): C89.1 R21.2 U27.6
Net-(C89-Pad2): C89.2 R20.2 U50.2
Net-(C90-Pad1): C90.1 R22.2 U27.1 U27.2
Net-(C91-Pad1): C91.1 CR16.1 CR17.2 R23.2 SW2.1 U27.8
Net-(C92-Pad1): C92.1 CR16.2 R24.2 U27.12 U27.13
Net-(C93-Pad1): C93.1 FB15.2 R25.1
Net-(C93-Pad2): C93.2 DW2.1
Net-(C95-Pad1): C95.1 CN11.5 L1.1
Net-(C95-Pad2): C95.2 CN11.3 L1.3
Net-(C97-Pad1): C97.1 L1.4 SW1.3
Net-(C98-Pad1): C98.1 CN11.1 L2.1
Net-(C99-Pad1): C99.1 L2.2 SW1.1
Net-(C104-Pad1): C104.1 CR10.2 CR11.1
Net-(C112-Pad1): C84.1 C85.1 C112.1 Q2.1 R12.1
Net-(C112-Pad2): C81.2 C112.2 Q2.3 R28.2
Net-(C113-Pad1): C113.1 U27.11
Net-(C117-Pad1): C21.1 C63.1 C117.1 L4.2 U21.48
Net-(C120-Pad1): C94.1 C120.1 L3.2 M1.1
Net-(C127-Pad1): C127.1 C168.1 CN5.3 CN14.16 R9.2 U16.3
Net-(C170-Pad1): C170.1 U27.3
Net-(CN1-Pad6): CN1.6 FB18.1
Net-(CN2-Pad3): CN2.3 CN2.C Q3.1
Net-(CN5-Pad2): CN5.2
Net-(CN5-Pad4): CN5.4
Net-(CN6-Pad1): CN6.1 FB7.1
Net-(CN6-Pad2): CN6.2 FB12.1
Net-(CN6-Pad3): CN6.3 FB10.1
Net-(CN6-Pad4): CN6.4 FB9.1
Net-(CN6-Pad5): CN6.5 FB8.1
Net-(CN6-Pad6): CN6.6 FB11.1
Net-(CN7-Pad6): CN7.6
Net-(CN8-Pad1): CN8.1 EMI141.1
Net-(CN8-Pad3): CN8.3 FB14.1
Net-(CN8-Pad4): CN8.4 EMI140.1
Net-(CN8-Pad5): CN8.5 FB15.1
Net-(CN8-Pad6): CN8.6 EMI142.1
Net-(CN8-Pad7): CN8.7
Net-(CN8-Pad8): CN8.8 FB13.1
Net-(CN13-Pad1): CN13.1 R32.2
Net-(CN13-Pad3): CN13.3 R42.2
Net-(CN14-Pad25): CN14.25 R60.2
Net-(CR1-Pad1): CR1.1 Q3.3 R5.2 U30.8
Net-(CR10-Pad1): CR10.1 Q7.2 R103.1 U59.1
Net-(DW1-Pad1): DW1.1 U5.26
Net-(EMI140-Pad3): EMI140.3 M1.7
